# Altium PCB 2.PcbDoc (part 12 of 22)
Units mm, origin at the board's own origin, x right, y up, seen from the top; angles counter-clockwise.
Board outline 175 x 155 mm, 16 copper layers (1_Top, 2_int1_(gnd), 3_int2_(power), 4_int3_(gnd), 5_int4_(sign), 6_int5_(power), 7_int6_(sign), 8_int7_(power), 9_int8_(gnd), 10_int9_(sign), 11_int10_(gnd), 12_int11_(sign), 13_int12_(gnd), 14_int13_(power), 15_int14_(gnd), 16_Bottom), stack 2.008 mm thick; 1046 components, 837 nets, 6010 pads, 4016 vias.
Unrouted connection lines stored in the file: 564.
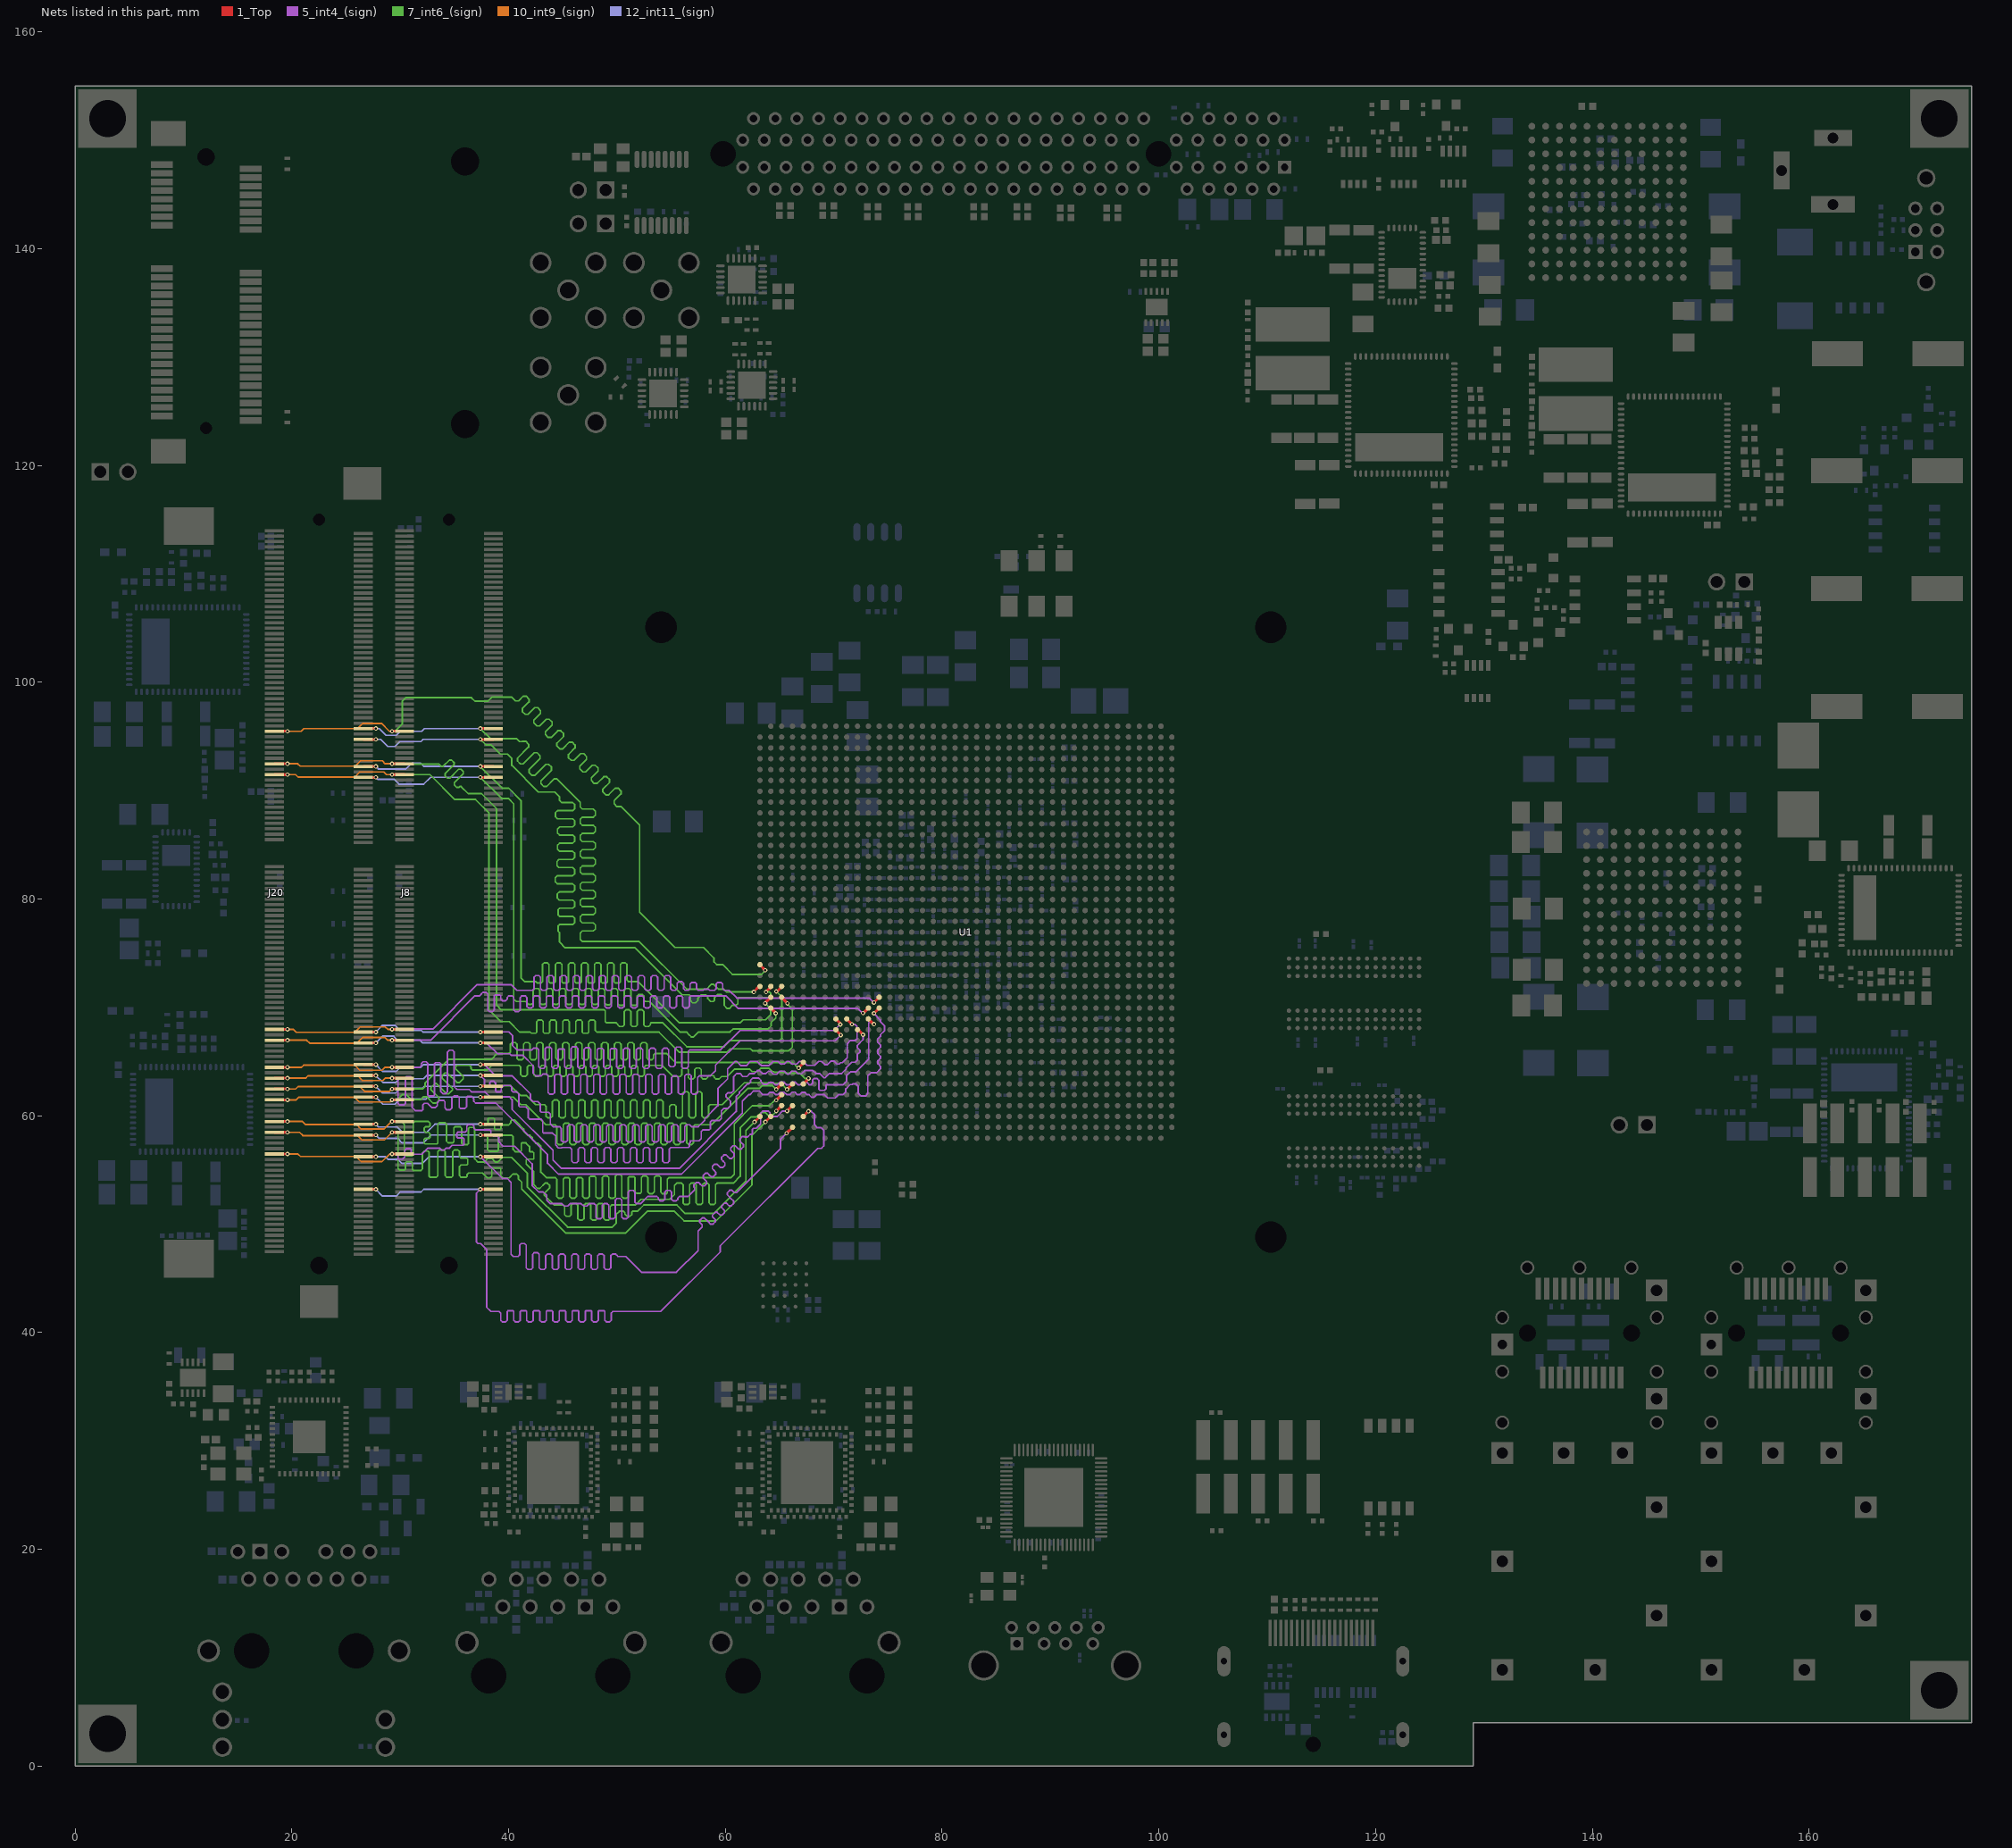
[diagram p26: the nets of this part, all layers, seen from the top]

## Via types
v1: diameter 0.4, hole 0.2, 1_Top to 16_Bottom, tented both sides, 1658 vias
v2: diameter 0.5, hole 0.2, 1_Top to 16_Bottom, tented both sides, 1014 vias
v3: diameter 0.7, hole 0.3, 1_Top to 16_Bottom, tented both sides, 915 vias
v4: diameter 0.6, hole 0.2, 1_Top to 16_Bottom, tented both sides, 278 vias
v5: diameter 0.4, hole 0.2, 1_Top to 16_Bottom, 100 vias
v6: diameter 0.4/0/0/0/0/0/0/0/0/0/0/0/0/0/0/0.4 (per signal layer), hole 0.2, 1_Top to 16_Bottom, tented both sides, 18 vias
v7: diameter 0.4/0/0/0/0/0/0/0/0/0/0/0.4/0.4/0.4/0.4/0.4 (per signal layer), hole 0.2, 1_Top to 16_Bottom, tented both sides, 16 vias
v8: diameter 0.5, hole 0.254, 1_Top to 16_Bottom, tented both sides, 15 vias
v9: diameter 0.5, hole 0.2, 1_Top to 16_Bottom, 2 vias

## Nets (pads, with @x,y where several pads share a name; then routed paths per layer and width w, separated by ;. In a path a pad name is that pad's centre, name@x,y a point inside that pad or via, vN(x,y) a via of type N, cw(c..) or ccw(c..) an arc to the next point about the centre after c; other vN are vias at no path point) (continued)
DDR4_SODIMM_DQ13: J8.25 J20.25 U1.AU5 | length 82.9
  1_Top w0.25: J20.25@26.6,53.225 v1(27.75,53.225) ; v1(37.398,53.225) J8.25@38.6,53.225 ; U1.AU5@67.194,59.939 67.194,59.944 v1(67.675,60.425)
  5_int4_(sign) w0.15: v1(37.398,53.225) 37.023,52.85 37.023,48.377 37.175,48.225 37.428,48.225 37.975,47.678 37.975,42.35 38.375,41.95 38.675,41.95 39.125,41.95 39.275,41.8 39.275,41.141 39.425,40.991 39.725,40.991 39.875,41.141 39.875,41.95 39.952,42.027 40.398,42.027 40.475,41.95 40.475,41.141 40.625,40.991 40.925,40.991 41.075,41.141 41.075,41.95 41.152,42.027 41.598,42.027 41.675,41.95 41.675,41.141 41.825,40.991 42.125,40.991 42.275,41.141 42.275,41.95 42.352,42.027 42.798,42.027 42.875,41.95 42.875,41.141 43.025,40.991 43.325,40.991 43.475,41.141 43.475,41.95 43.552,42.027 43.998,42.027 44.075,41.95 44.075,41.141 44.225,40.991 44.525,40.991 44.675,41.141 44.675,41.95 44.752,42.027 45.198,42.027 45.275,41.95 45.275,41.141 45.425,40.991 45.725,40.991 45.875,41.141 45.875,41.95 45.952,42.027 46.398,42.027 46.475,41.95 46.475,41.141 46.625,40.991 46.925,40.991 47.075,41.141 47.075,41.95 47.152,42.027 47.598,42.027 47.675,41.95 47.675,41.141 47.825,40.991 48.125,40.991 48.275,41.141 48.275,41.95 48.352,42.027 48.798,42.027 48.875,41.95 48.875,41.141 49.025,40.991 49.325,40.991 49.475,41.141 49.475,41.8 49.625,41.95 53.875,41.95 54.035,41.95 59.525,47.44 59.525,48 68.525,57 68.855,57 69.075,57.22 69.075,58.675 68.85,58.9 68.5,58.9 68.225,59.175 68.225,60.125 67.925,60.425 v1(67.675,60.425)
  12_int11_(sign) w0.15: v1(27.75,53.225) 28.375,52.6 29.625,52.6 30,52.975 31.925,52.975 32.175,53.225 v1(37.398,53.225)
DDR4_SODIMM_DQ14: J8.38 J20.38 U1.AT4 | length 83.3
  1_Top w0.25: J20.38@18.4,56.475 v1(19.602,56.475) ; v1(29.25,56.475) J8.38@30.4,56.475 ; v1(65.694,60.439) U1.AT4@66.194,60.939
  5_int4_(sign) w0.15: v1(29.25,56.475) 29.275,56.45 29.625,56.45 29.8,56.275 29.8,56.05 29.85,56 30.225,56 30.425,56.2 30.425,56.8 30.6,56.975 30.925,56.975 31.025,56.875 31.025,56.55 31.125,56.45 32,56.45 32.575,57.025 33.65,57.025 33.85,56.825 34.05,56.825 34.25,57.025 34.55,57.025 34.8,57.275 35.8,57.275 35.875,57.35 35.875,57.875 35.8,57.95 35.325,57.95 35.225,58.05 35.225,58.4 35.325,58.5 36.025,58.5 36.15,58.625 36.15,59.05 36.275,59.175 36.675,59.175 36.8,59.05 36.8,58.825 36.925,58.7 38.275,58.7 38.375,58.6 38.375,58.325 38.6,58.1 38.975,58.1 39.1,57.975 39.1,57.6 39.5,57.2 40.55,57.2 42.18,55.57 42.18,53.57 42.775,52.975 43.2,52.975 43.525,52.65 43.525,52.225 43.85,51.9 44.925,51.9 45.15,51.675 45.45,51.675 45.675,51.9 46.7,51.9 46.925,51.675 47.225,51.675 47.45,51.9 47.9,51.9 48.05,51.75 48.05,50.665 48.2,50.515 48.5,50.515 48.65,50.665 48.65,51.75 48.8,51.9 49.1,51.9 49.25,51.75 49.25,50.665 49.4,50.515 49.7,50.515 49.85,50.665 49.85,51.9 49.85,52.232 50,52.382 50.3,52.382 50.45,52.232 50.45,51.9 50.45,50.665 50.6,50.515 50.9,50.515 51.05,50.665 51.05,51.9 51.05,52.965 51.2,53.115 51.5,53.115 51.65,52.965 51.65,52.05 51.8,51.9 51.875,51.9 52.175,51.9 52.838,52.563 52.925,52.563 53.225,52.563 53.675,52.563 53.825,52.413 53.825,52.312 53.975,52.162 54.275,52.162 54.425,52.312 54.425,52.563 54.425,52.965 54.575,53.115 54.875,53.115 55.025,52.965 55.025,52.563 55.025,52.312 55.175,52.162 55.475,52.162 55.625,52.312 55.625,52.413 55.775,52.563 56.225,52.563 56.563,52.563 56.775,52.775 56.862,52.863 57.05,53.05 57.156,53.156 57.156,53.368 57.104,53.42 57.104,53.633 57.316,53.845 57.528,53.845 57.686,53.686 57.84,53.533 58.052,53.533 58.264,53.745 58.264,53.957 58.111,54.111 57.952,54.269 57.952,54.481 58.164,54.693 58.377,54.693 58.535,54.535 58.688,54.382 58.9,54.382 59.112,54.594 59.112,54.806 58.959,54.959 58.801,55.118 58.801,55.33 59.013,55.542 59.225,55.542 59.383,55.383 59.537,55.23 59.749,55.23 59.961,55.442 59.961,55.655 59.808,55.808 59.649,55.966 59.649,56.178 59.861,56.39 60.074,56.39 60.232,56.232 60.385,56.079 60.597,56.079 60.809,56.291 60.809,56.503 60.656,56.656 60.498,56.815 60.498,57.027 60.71,57.239 60.922,57.239 61.081,57.081 61.234,56.927 61.446,56.927 61.658,57.139 61.658,57.352 61.505,57.505 61.346,57.663 61.346,57.875 61.559,58.087 61.771,58.087 61.823,58.035 62.035,58.035 62.125,58.125 62.288,58.288 62.425,58.288 62.5,58.362 62.5,58.75 62.6,58.85 62.85,58.85 63.25,59.25 63.25,60.225 63.45,60.425 63.975,60.425 64.125,60.275 64.125,60.05 64.225,59.95 64.8,59.95 65.289,60.439 v1(65.694,60.439)
  10_int9_(sign) w0.15: v1(19.602,56.475) 20.575,56.475 20.8,56.25 25.925,56.25 26.4,55.775 28.325,55.775 29.025,56.475 v1(29.25,56.475)
DDR4_SODIMM_DQ15: J8.37 J20.37 U1.AV4 | length 81.2
  1_Top w0.25: J20.37@26.6,56.225 v1(27.75,56.225) ; v1(37.398,56.225) J8.37@38.6,56.225 ; v1(65.65,58.395) U1.AV4@66.194,58.939
  5_int4_(sign) w0.15: v1(37.398,56.225) 37.425,56.225 39.425,54.225 39.875,54.225 40.225,53.875 40.225,47.225 40.425,47.025 40.725,47.025 40.875,47.025 41.025,47.175 41.025,48.075 41.175,48.225 41.475,48.225 41.625,48.075 41.625,47.025 41.625,45.975 41.775,45.825 42.075,45.825 42.225,45.975 42.225,47.025 42.225,47.23 42.375,47.38 42.675,47.38 42.825,47.23 42.825,47.025 42.825,45.975 42.975,45.825 43.275,45.825 43.425,45.975 43.425,47.025 43.425,47.09 43.575,47.24 43.875,47.24 44.025,47.09 44.025,47.025 44.025,45.975 44.175,45.825 44.475,45.825 44.625,45.975 44.625,47.025 44.625,47.09 44.775,47.24 45.075,47.24 45.225,47.09 45.225,47.025 45.225,45.975 45.375,45.825 45.675,45.825 45.825,45.975 45.825,47.025 45.825,47.09 45.975,47.24 46.275,47.24 46.425,47.09 46.425,47.025 46.425,45.975 46.575,45.825 46.875,45.825 47.025,45.975 47.025,47.025 47.025,47.09 47.175,47.24 47.475,47.24 47.625,47.09 47.625,47.025 47.625,45.975 47.775,45.825 48.075,45.825 48.225,45.975 48.225,47.025 48.225,47.09 48.375,47.24 48.675,47.24 48.825,47.09 48.825,47.025 48.825,45.975 48.975,45.825 49.275,45.825 49.425,45.975 49.425,47.025 49.425,47.09 49.575,47.24 49.875,47.24 50.025,47.09 50.09,47.025 50.625,47.025 50.804,47.025 51.016,46.813 51.127,46.702 52.264,45.565 55.486,45.565 57.485,47.564 57.485,49.36 57.75,49.625 57.856,49.731 57.856,49.943 57.641,50.158 57.641,50.37 57.853,50.582 58.066,50.582 58.386,50.261 58.645,50.003 58.857,50.003 59.069,50.215 59.069,50.427 58.811,50.686 58.811,50.832 59.088,51.11 59.235,51.11 59.493,50.852 59.705,50.852 59.918,51.064 59.918,51.276 59.659,51.534 59.659,51.681 59.937,51.958 60.083,51.958 60.342,51.7 60.554,51.7 60.766,51.912 60.766,52.124 60.508,52.383 60.187,52.704 60.187,52.916 60.399,53.128 60.611,53.128 60.826,52.913 61.038,52.913 62.037,53.912 65.1,56.975 65.1,57.845 v1(65.65,58.395) v1@65.738,58.395
  12_int11_(sign) w0.15: v1(27.75,56.225) 28.65,56.225 28.9,55.975 29.8,55.975 30.175,55.6 32.025,55.6 32.65,56.225 v1(37.398,56.225)
DDR4_SODIMM_DQ16: J8.50 J20.50 U1.AU1 | length 79.5
  1_Top w0.25: J20.50@18.4,59.475 v1(19.602,59.475) ; v1(29.25,59.475) J8.50@30.4,59.475 ; v1(62.694,59.439) U1.AU1@63.194,59.939
  7_int6_(sign) w0.15: v1(29.25,59.475) 30.125,59.475 30.375,59.225 30.375,56.5 30.575,56.3 31.1,56.3 31.2,56.4 31.2,59.325 31.35,59.475 32.6,59.475 32.75,59.325 32.75,59.075 32.675,59 32.35,59 32.225,58.875 32.225,58.6 32.35,58.475 32.625,58.475 32.75,58.35 32.75,58 32.675,57.925 32.325,57.925 32.2,57.8 32.2,57.5 32.3,57.4 33.375,57.4 33.475,57.5 33.475,59.225 33.6,59.35 34.15,59.35 34.275,59.225 34.275,57.675 34.45,57.5 34.825,57.5 34.95,57.625 34.95,58.875 35.075,59 35.525,59 35.675,58.85 35.675,57.45 35.775,57.35 36.2,57.35 36.3,57.45 36.3,58.825 36.4,58.925 36.75,58.925 36.875,58.8 36.875,56.025 37.175,55.725 37.75,55.725 38.1,56.075 38.45,56.075 38.8,55.725 39,55.725 39.45,56.175 40.275,56.175 41.725,54.725 41.725,53.45 45.45,49.725 49.575,49.725 49.925,50.075 49.925,50.9 50.225,51.2 50.6,51.2 50.725,51.075 50.725,50.95 50.95,50.725 51.2,50.725 51.375,50.9 51.375,51.15 51.425,51.2 51.9,51.2 52.48,51.78 55.52,51.78 56.31,50.99 58.915,50.99 61.902,53.977 61.902,58.648 v1(62.694,59.439)
  10_int9_(sign) w0.15: v1(19.602,59.475) 20.975,59.475 21.25,59.2 25.95,59.2 26.375,58.775 28.475,58.775 29.175,59.475 v1(29.25,59.475)
DDR4_SODIMM_DQ17: J8.49 J20.49 U1.AR3 | length 82.7
  1_Top w0.25: J20.49@26.6,59.225 v1(27.75,59.225) ; v1(37.398,59.225) J8.49@38.6,59.225 ; v1(64.694,61.439) U1.AR3@65.194,61.939
  7_int6_(sign) w0.15: v1(37.398,59.225) 37.473,59.15 37.9,59.15 38.1,59.35 38.1,59.729 38.171,59.8 38.6,59.8 38.7,59.7 38.7,58.8 38.775,58.725 39.2,58.725 39.3,58.825 39.3,59.05 39.4,59.15 40,59.15 40.2,59.35 40.2,59.5 40.3,59.6 40.6,59.6 41.025,59.175 41.025,59.15 41.4,58.775 41.4,58.575 41.775,58.2 41.975,58.2 42.2,57.975 42.2,57.8 42.525,57.475 42.7,57.475 42.975,57.2 42.975,54.8 43.475,54.3 44.3,54.3 44.45,54.15 44.45,52.555 44.6,52.405 44.9,52.405 45.05,52.555 45.05,54.15 45.2,54.3 45.5,54.3 45.65,54.15 45.65,52.555 45.8,52.405 46.1,52.405 46.25,52.555 46.25,54.15 46.4,54.3 46.7,54.3 46.85,54.15 46.85,52.555 47,52.405 47.3,52.405 47.45,52.555 47.45,54.3 47.56,54.41 47.94,54.41 48.05,54.3 48.05,52.555 48.2,52.405 48.5,52.405 48.65,52.555 48.65,54.305 48.8,54.455 49.1,54.455 49.25,54.305 49.25,52.555 49.4,52.405 49.7,52.405 49.85,52.555 49.85,54.424 50,54.574 50.3,54.574 50.45,54.424 50.45,52.555 50.6,52.405 50.9,52.405 51.05,52.555 51.05,54.3 51.135,54.385 51.565,54.385 51.65,54.3 51.65,53 51.8,52.85 52.15,52.85 52.25,52.95 52.25,54.305 52.4,54.455 52.7,54.455 52.85,54.305 52.85,53 53.05,52.8 53.25,52.8 53.45,53 53.45,54.311 53.6,54.461 53.9,54.461 54.05,54.311 54.05,52.95 54.2,52.8 54.55,52.8 54.65,52.9 54.65,54.15 54.8,54.3 60.525,54.3 60.825,54.6 60.825,59.275 62.475,60.925 64.05,60.925 64.564,61.439 v1(64.694,61.439)
  12_int11_(sign) w0.15: v1(27.75,59.225) 28,58.975 29.725,58.975 30.225,58.475 32.45,58.475 33.2,59.225 v1(37.398,59.225)
DDR4_SODIMM_DQ18: J8.62 J20.62 U1.AM5 | length 83.6
  1_Top w0.25: J20.62@18.4,62.475 v1(19.602,62.475) ; v1(29.25,62.475) J8.62@30.4,62.475 ; v1(66.775,64.425) 66.775,64.45 67.194,64.869 U1.AM5@67.194,64.939
  7_int6_(sign) w0.15: v1(29.25,62.475) 29.275,62.5 32.1,62.5 32.3,62.7 32.3,63.05 34.45,65.2 38.4,65.2 38.95,65.75 40.025,65.75 40.175,65.9 40.175,66.6 40.325,66.75 40.625,66.75 40.775,66.6 40.775,65.31 40.925,65.16 41.225,65.16 41.375,65.31 41.375,66.6 41.525,66.75 41.825,66.75 41.975,66.6 41.975,65.31 42.125,65.16 42.425,65.16 42.575,65.31 42.575,66.6 42.725,66.75 43.025,66.75 43.175,66.6 43.175,65.31 43.325,65.16 43.625,65.16 43.775,65.31 43.775,66.6 43.925,66.75 44.225,66.75 44.375,66.6 44.375,65.31 44.525,65.16 44.825,65.16 44.975,65.31 44.975,66.6 45.125,66.75 45.425,66.75 45.575,66.6 45.575,65.31 45.725,65.16 46.025,65.16 46.175,65.31 46.175,66.6 46.325,66.75 46.625,66.75 46.775,66.6 46.775,65.31 46.925,65.16 47.225,65.16 47.375,65.31 47.375,66.6 47.525,66.75 47.825,66.75 47.975,66.6 47.975,65.31 48.125,65.16 48.425,65.16 48.575,65.31 48.575,66.6 48.725,66.75 49.025,66.75 49.175,66.6 49.175,65.31 49.325,65.16 49.625,65.16 49.775,65.31 49.775,66.6 49.925,66.75 50.225,66.75 50.375,66.6 50.375,65.31 50.525,65.16 50.825,65.16 50.975,65.31 50.975,66.6 51.125,66.75 51.425,66.75 51.575,66.6 51.575,65.31 51.725,65.16 52.025,65.16 52.175,65.31 52.175,66.6 52.325,66.75 52.625,66.75 52.775,66.6 52.775,65.31 52.925,65.16 53.225,65.16 53.375,65.31 53.375,65.6 53.525,65.75 54.576,65.75 55.401,64.925 66.208,64.925 66.708,64.425 v1(66.775,64.425)
  10_int9_(sign) w0.15: v1(19.602,62.475) 20.35,62.475 20.575,62.7 26.25,62.7 26.7,62.25 29.025,62.25 v1(29.25,62.475)
DDR4_SODIMM_DQ19: J8.63 J20.63 U1.AP4 | length 82.5
  1_Top w0.25: J20.63@26.6,62.725 v1(27.75,62.725) ; v1(37.398,62.725) J8.63@38.6,62.725 ; v1(65.694,62.439) U1.AP4@66.194,62.939
  7_int6_(sign) w0.15: v1(37.398,62.725) 37.448,62.775 40.2,62.775 41.088,61.887 41.638,61.887 42.501,61.025 43.3,61.025 43.45,60.875 43.45,59.975 43.6,59.825 43.9,59.825 44.05,59.975 44.05,61.302 44.2,61.452 44.5,61.452 44.65,61.302 44.65,59.975 44.8,59.825 45.1,59.825 45.25,59.975 45.25,61.302 45.4,61.452 45.7,61.452 45.85,61.302 45.85,59.975 46,59.825 46.3,59.825 46.45,59.975 46.45,61.302 46.6,61.452 46.9,61.452 47.05,61.302 47.05,59.975 47.2,59.825 47.5,59.825 47.65,59.975 47.65,61.302 47.8,61.452 48.1,61.452 48.25,61.302 48.25,59.975 48.4,59.825 48.7,59.825 48.85,59.975 48.85,61.302 49,61.452 49.3,61.452 49.45,61.302 49.45,59.975 49.6,59.825 49.9,59.825 50.05,59.975 50.05,61.302 50.2,61.452 50.5,61.452 50.65,61.302 50.65,59.975 50.8,59.825 51.1,59.825 51.25,59.975 51.25,61.302 51.4,61.452 51.7,61.452 51.85,61.302 51.85,59.975 52,59.825 52.3,59.825 52.45,59.975 52.45,61.302 52.6,61.452 52.9,61.452 53.05,61.302 53.05,59.975 53.2,59.825 53.5,59.825 53.65,59.975 53.65,61.302 53.8,61.452 54.1,61.452 54.25,61.302 54.25,59.975 54.4,59.825 54.7,59.825 54.85,59.975 54.85,60.875 55,61.025 55.3,61.025 55.45,60.875 55.45,59.975 55.6,59.825 55.9,59.825 56.05,59.975 56.05,62.075 56.2,62.225 56.5,62.225 56.65,62.075 56.65,59.975 56.8,59.825 57.1,59.825 57.25,59.975 57.25,62.075 57.4,62.225 57.7,62.225 57.85,62.075 57.85,59.975 58,59.825 58.3,59.825 58.45,59.975 58.45,60.875 58.6,61.025 59.725,61.025 61.753,63.053 63.517,63.053 63.545,63.025 64.476,63.025 64.501,63 65.133,63 v1(65.694,62.439)
  12_int11_(sign) w0.15: v1(27.75,62.725) 28.375,62.1 29.575,62.1 30,62.525 32.05,62.525 32.25,62.725 v1(37.398,62.725)
DDR4_SODIMM_DQ20: J8.46 J20.46 U1.AU2 | length 79.5
  1_Top w0.25: J20.46@18.4,58.475 v1(19.602,58.475) ; v1(29.25,58.475) J8.46@30.4,58.475 ; v1(63.694,59.439) U1.AU2@64.194,59.939
  7_int6_(sign) w0.15: v1(29.25,58.475) 29.7,58.475 29.8,58.375 29.8,55.125 29.925,55 30.425,55 30.475,55.05 30.475,55.65 30.575,55.75 31.025,55.75 31.125,55.65 31.125,55.05 31.225,54.95 31.9,54.95 32.05,55.1 32.05,56.575 32.225,56.75 32.55,56.75 32.675,56.625 32.675,54.425 32.775,54.325 33.325,54.325 33.475,54.475 33.475,56.7 33.625,56.85 34,56.85 34.15,56.7 34.15,54.475 34.3,54.325 34.725,54.325 34.85,54.45 34.85,56.7 35,56.85 35.325,56.85 35.475,56.7 35.475,56.25 35.625,56.1 36.125,56.1 36.225,56 36.225,55.55 36.15,55.475 35.625,55.475 35.475,55.325 35.475,54.475 35.625,54.325 36.075,54.325 36.175,54.425 36.175,54.6 36.3,54.725 37.6,54.725 38.05,54.275 38.3,54.275 38.45,54.425 38.45,55.075 38.55,55.175 39.2,55.175 39.275,55.1 39.275,54.5 39.5,54.275 40.05,54.275 40.4,54.625 40.75,54.625 40.9,54.475 40.9,54.2 41.215,53.885 41.215,53.239 45.279,49.175 50.775,49.175 52.8,51.2 55.3,51.2 56.2,50.3 59.125,50.3 62.45,53.625 62.45,58.195 v1(63.694,59.439)
  10_int9_(sign) w0.15: v1(19.602,58.475) 20.72,58.475 21.02,58.175 26.05,58.175 26.45,57.775 28.55,57.775 v1(29.25,58.475)
DDR4_SODIMM_DQ21: J8.45 J20.45 U1.AT3 | length 79.8
  1_Top w0.25: J20.45@26.6,58.225 v1(27.75,58.225) ; v1(37.398,58.225) J8.45@38.6,58.225 ; v1(64.694,60.439) U1.AT3@65.194,60.939
  7_int6_(sign) w0.15: v1(37.398,58.225) 37.9,58.225 38.075,58.05 38.075,56.875 38.225,56.725 38.975,56.725 39.05,56.8 39.05,57.95 39.3,58.2 40.3,58.2 40.425,58.075 40.425,56.9 40.65,56.675 41.05,56.675 41.175,56.8 41.175,57.45 41.225,57.5 41.6,57.5 41.925,57.175 41.925,56.75 42,56.675 42.225,56.675 42.325,56.575 42.325,56 41.7,56 41.625,55.925 41.625,55.55 42.325,54.85 42.325,53.65 42.353,53.622 42.671,53.304 42.883,53.304 43.369,53.79 43.581,53.79 43.793,53.578 43.793,53.366 43.307,52.88 43.307,52.668 43.625,52.35 43.837,52.138 44.2,51.775 44.275,51.775 44.575,51.775 45.025,51.775 45.175,51.625 45.175,50.877 45.325,50.727 45.625,50.727 45.775,50.877 45.775,51.775 45.895,51.895 46.255,51.895 46.375,51.775 46.375,50.54 46.525,50.39 46.825,50.39 46.975,50.54 46.975,51.775 47.095,51.895 47.455,51.895 47.575,51.775 47.575,50.54 47.725,50.39 48.025,50.39 48.175,50.54 48.175,51.775 48.295,51.895 48.655,51.895 48.775,51.775 48.775,50.54 48.925,50.39 49.225,50.39 49.375,50.54 49.375,51.625 49.525,51.775 49.775,51.775 51.7,51.775 52.215,52.29 54.861,52.29 55.3,52.729 55.3,53.575 55.515,53.79 55.95,53.79 56.1,53.64 56.1,51.965 56.25,51.815 56.55,51.815 56.7,51.965 56.7,53.64 56.85,53.79 57.15,53.79 57.3,53.64 57.3,51.965 57.45,51.815 57.75,51.815 57.9,51.965 57.9,53.64 58.05,53.79 58.35,53.79 58.5,53.64 58.5,51.965 58.65,51.815 58.95,51.815 59.1,51.965 59.1,53.64 59.25,53.79 59.7,53.79 60.3,53.79 60.6,53.79 60.736,53.79 61.375,54.429 61.375,58.9 62.375,59.9 62.9,59.9 63.3,60.3 63.7,60.3 64.05,59.95 64.25,59.95 64.694,60.394 v1(64.694,60.439)
  12_int11_(sign) w0.15: v1(27.75,58.225) 28.05,57.925 29.75,57.925 30.175,57.5 32.125,57.5 32.85,58.225 v1(37.398,58.225)
DDR4_SODIMM_DQ22: J8.58 J20.58 U1.AP5 | length 82.5
  1_Top w0.25: J20.58@18.4,61.475 v1(19.602,61.475) ; v1(29.25,61.475) J8.58@30.4,61.475 ; U1.AP5@67.194,62.939 67.675,63.42 v1(67.675,63.45)
  7_int6_(sign) w0.15: v1(29.25,61.475) 29.275,61.5 29.725,61.5 30.2,61.975 30.55,61.975 31.025,61.5 31.9,61.5 32.162,61.762 32.438,61.762 33.025,61.175 33.3,61.175 33.575,61.45 33.575,61.675 32.825,62.425 32.825,62.575 33.225,62.975 33.35,62.975 34.3,62.025 34.475,62.025 34.825,62.375 34.825,62.525 33.85,63.5 33.85,63.675 34.125,63.95 34.35,63.95 35.225,63.075 35.475,63.075 35.825,63.425 35.825,63.625 35.125,64.325 35.125,64.525 35.25,64.65 36.4,64.65 36.55,64.5 36.55,64.325 36.65,64.225 38.05,64.225 38.475,64.65 40.975,64.65 41.125,64.5 41.125,63.8 41.275,63.65 41.575,63.65 41.725,63.8 41.725,64.5 41.875,64.65 42.175,64.65 42.325,64.5 42.325,63.8 42.475,63.65 42.775,63.65 42.925,63.8 42.925,64.5 43.075,64.65 43.375,64.65 43.525,64.5 43.525,63.8 43.675,63.65 43.975,63.65 44.125,63.8 44.125,64.5 44.275,64.65 44.575,64.65 44.725,64.5 44.725,63.8 44.875,63.65 45.175,63.65 45.325,63.8 45.325,64.5 45.475,64.65 45.775,64.65 45.925,64.5 45.925,63.8 46.075,63.65 46.375,63.65 46.525,63.8 46.525,64.5 46.675,64.65 46.975,64.65 47.125,64.5 47.125,63.8 47.275,63.65 47.575,63.65 47.725,63.8 47.725,64.5 47.875,64.65 48.175,64.65 48.325,64.5 48.325,63.8 48.475,63.65 48.775,63.65 48.925,63.8 48.925,64.5 49.075,64.65 49.375,64.65 49.525,64.5 49.525,63.8 49.675,63.65 49.975,63.65 50.125,63.8 50.125,64.5 50.275,64.65 50.575,64.65 50.725,64.5 50.725,63.8 50.875,63.65 51.175,63.65 51.325,63.8 51.325,64.5 51.475,64.65 51.775,64.65 51.925,64.5 51.925,63.8 52.075,63.65 52.375,63.65 52.525,63.8 52.525,64.5 52.675,64.65 54.15,64.65 55.175,63.625 55.825,63.625 55.975,63.775 55.975,64.265 56.125,64.415 56.425,64.415 56.575,64.265 56.575,63.547 56.725,63.397 57.025,63.397 57.175,63.547 57.175,64.265 57.325,64.415 57.625,64.415 57.775,64.265 57.775,63.547 57.925,63.397 58.225,63.397 58.375,63.547 58.375,63.625 58.463,63.713 58.887,63.713 58.975,63.625 58.975,63.547 59.125,63.397 59.425,63.397 59.653,63.625 60.179,63.625 60.867,64.313 62.25,64.313 62.25,64.295 62.47,64.075 62.95,64.075 63.25,64.375 64.025,64.375 64.325,64.075 64.445,64.075 64.495,64.025 65.475,64.025 65.575,63.925 66.875,63.925 67.35,63.45 v1(67.675,63.45)
  10_int9_(sign) w0.15: v1(19.602,61.475) 20.4,61.475 20.625,61.7 25.8,61.7 26.225,61.275 29.05,61.275 v1(29.25,61.475)
DDR4_SODIMM_DQ23: J8.59 J20.59 U1.AP3 | length 82.5
  1_Top w0.25: J20.59@26.6,61.725 v1(27.75,61.725) ; v1(37.398,61.725) J8.59@38.6,61.725 ; v1(64.694,62.439) U1.AP3@65.194,62.939